# Altium PCB FPGA1.PcbDoc (part 5 of 5)
Units mm, origin at the board's own origin, x right, y up, seen from the top; angles counter-clockwise.
Board outline 170.31 x 110.11 mm, 2 copper layers (Top Layer, Bottom Layer); 219 components, 292 nets, 1138 pads, 447 vias.
Unrouted connection lines stored in the file: 389.
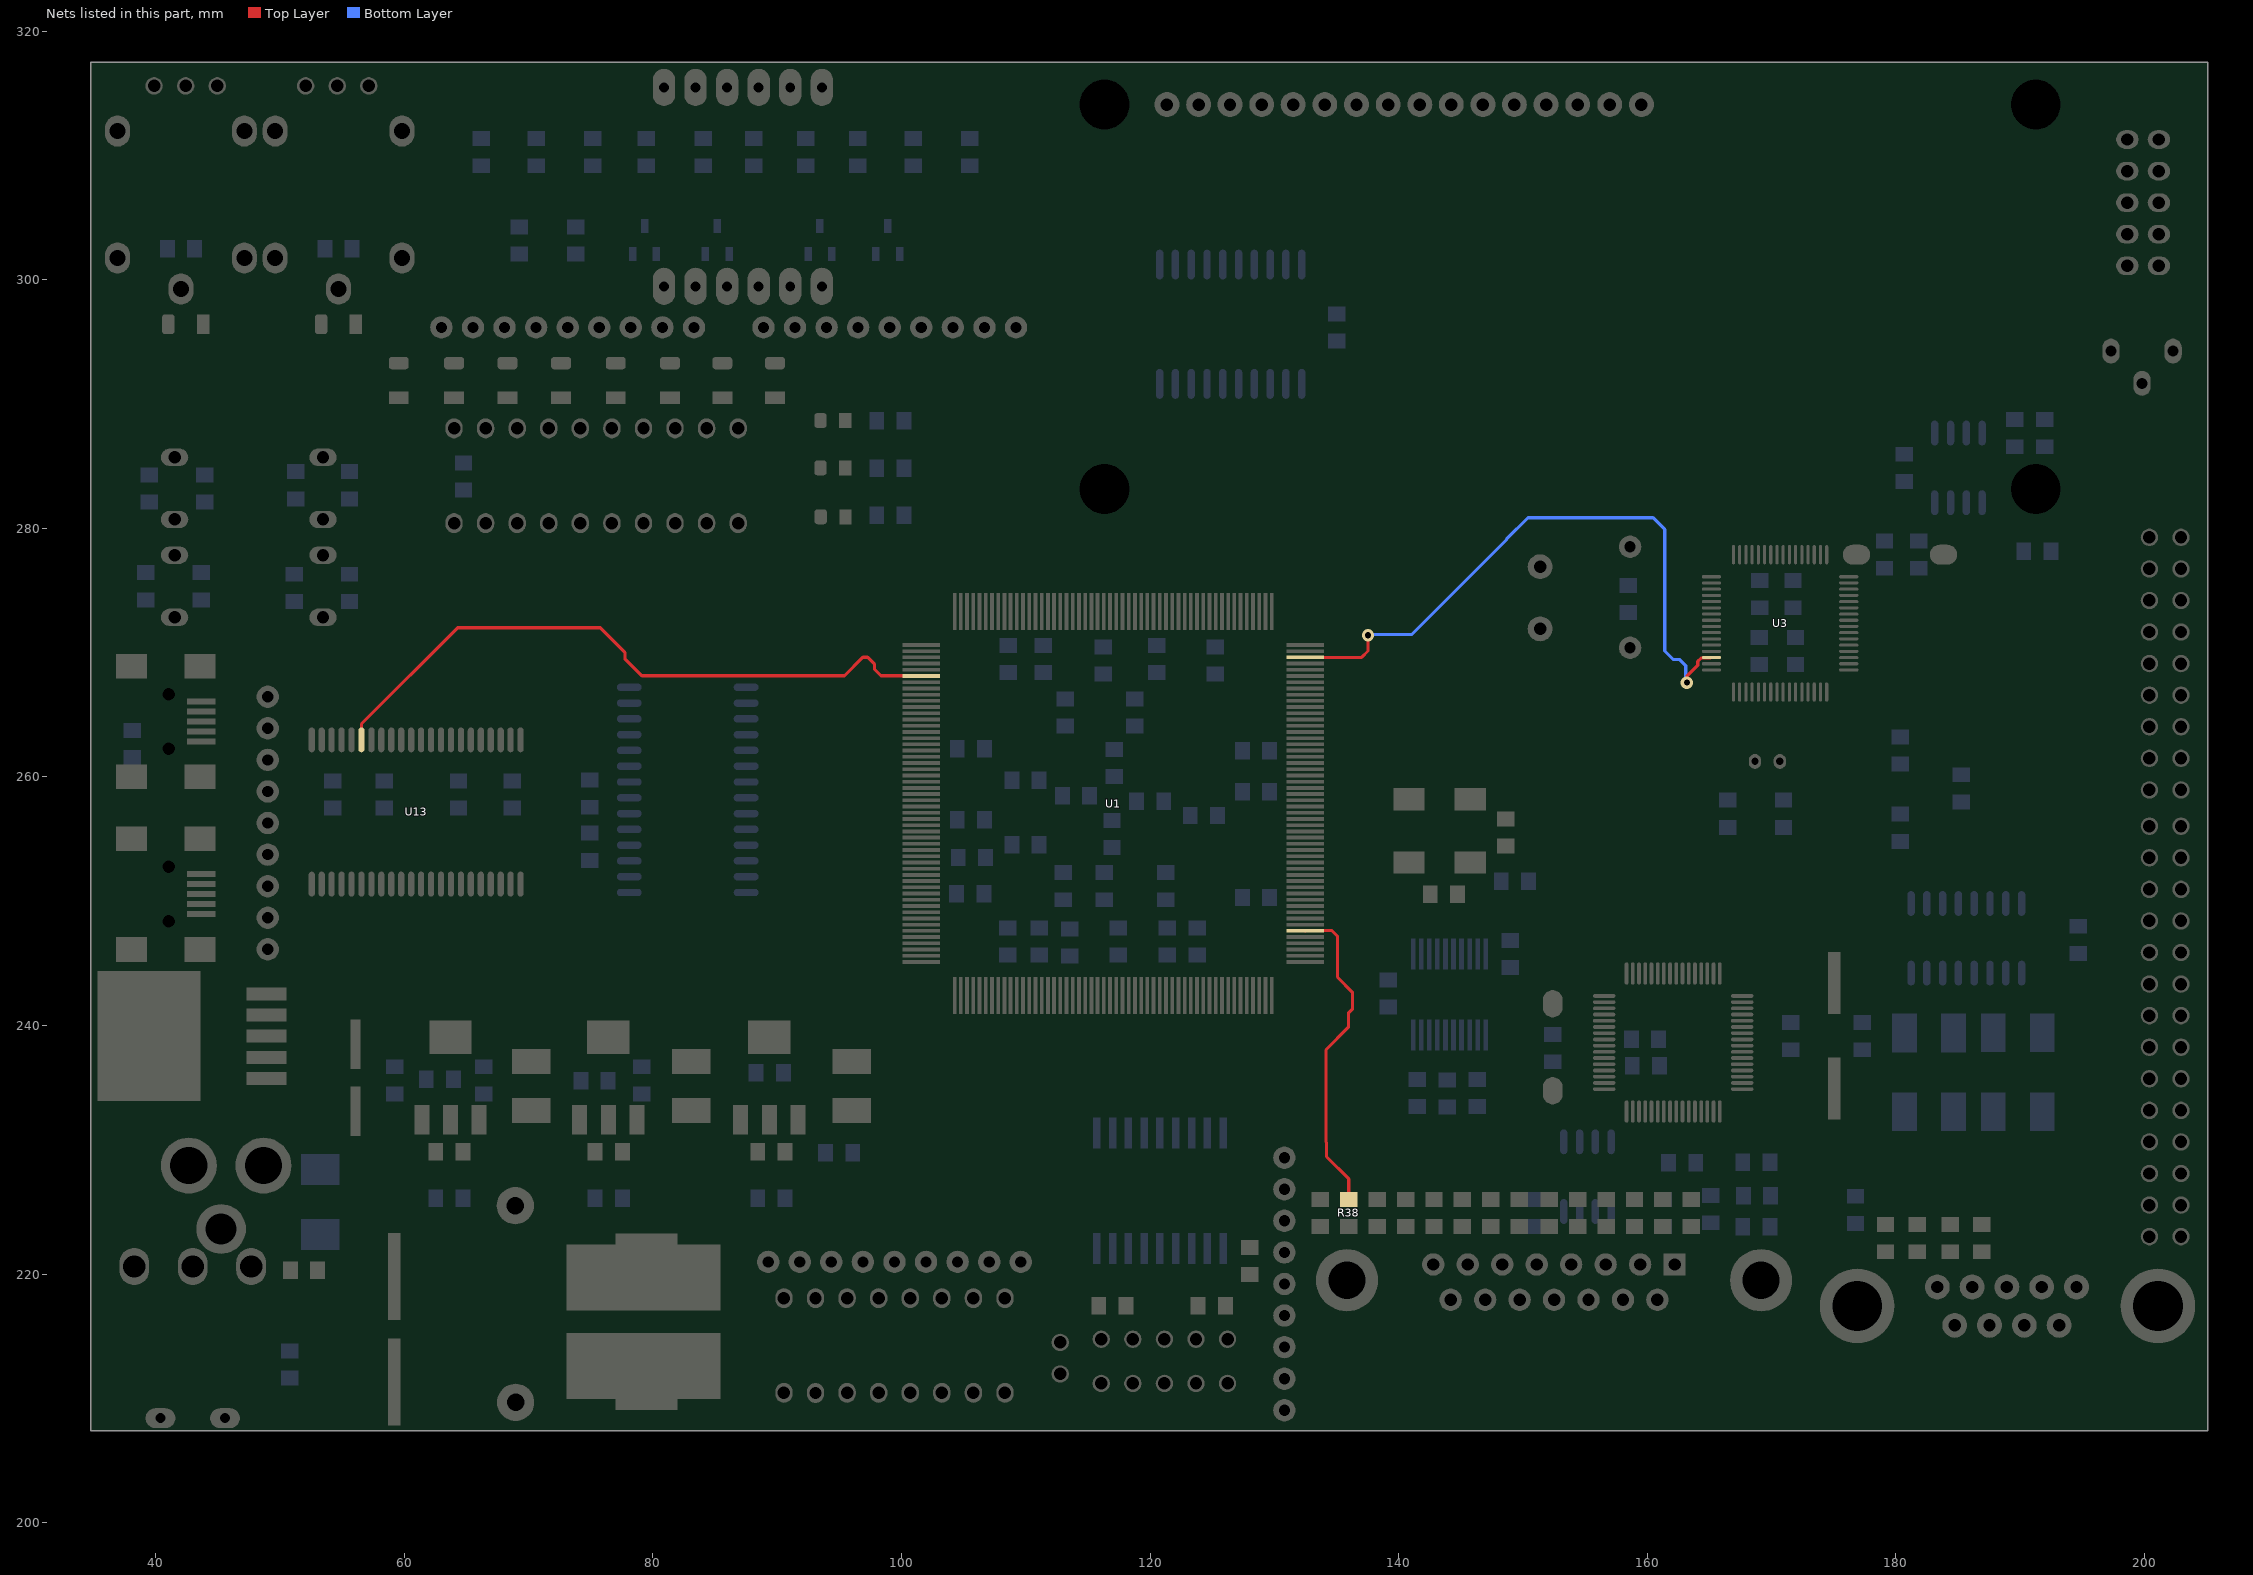
[diagram p5: the nets of this part, all layers, seen from the top]

## Via types
v1: diameter 1, hole 0.5, Top Layer to Bottom Layer, 447 vias

## Nets (pads, with @x,y where several pads share a name; then routed paths per layer and width w, separated by ;. In a path a pad name is that pad's centre, name@x,y a point inside that pad or via, vN(x,y) a via of type N, cw(c..) or ccw(c..) an arc to the next point about the centre after c; other vN are vias at no path point) (continued)
UTOF: U1.102 U3.62 | length 51.3
  Top Layer w0.254: U1.102@132.485,269.614 137.026,269.614 137.541,270.129 v1(137.541,271.399) ; v1(163.195,267.589) 163.195,268.097 164.065,268.967 164.065,269.288 164.332,269.555 U3.62@165.081,269.555
  Bottom Layer w0.254: v1(137.541,271.399) 137.606,271.464 141.076,271.464 148.669,279.057 148.669,279.105 150.415,280.851 160.474,280.851 161.417,279.908 161.417,270.129 162.114,269.432 162.622,269.432 163.106,268.948 163.106,267.678 v1(163.195,267.589)
VSYNC: R38.2 U1.58 | length 26.1
  Top Layer w0.254: U1.58@132.485,247.614 132.508,247.637 134.62,247.637 135.082,247.175 135.082,243.886 136.282,242.686 136.282,241.311 135.963,240.992 135.963,239.842 134.16,238.039 134.16,230.625 134.196,230.589 134.196,229.449 135.992,227.653 R38.2@135.992,226.009
WE: U1.162 U13.17 | length 52.9
  Top Layer w0.254: U13.17@56.56,262.975 56.56,264.267 64.292,271.999 75.769,271.999 77.749,270.019 77.749,269.507 79.119,268.137 95.417,268.137 96.901,269.621 97.282,269.621 97.848,269.055 97.848,268.643 98.355,268.137 101.572,268.137 U1.162@101.595,268.114
pads on no net: "S2. " J1.4 J1.9 J1.12 J1.14 J1.MH1 J1.MH2 J2.1 J2.4 J2.5 J2.6 J2.7 J2.8 J2.9 J2.10 J2.11 LCD1.0 LCD1.7 LCD1.8 LCD1.9 LCD1.10 P12.6 P12.7 P12.8 S2.3 U1.161 U4.6 U10.2 U10.3 U10.6 U10.8 U10.9 U10.10 U10.11 U10.12 U10.13 U10.14 U10.19 U10.24 U10.27 U10.28 U11.2 U11.9 U11.12 U11.13 U11.14 U11.15 U11.16 U13.28 U14.21 U14.22 U14.23 U14.24 U14.26 U14.27 U14.28 U14.29 U14.30 U14.32 U14.33 U14.34 U14.36 U14.40 U14.41 U14.43 U14.44 U14.45 U14.46 U14.48 U14.52 U14.53 U14.54 U14.55 U14.57 U14.58 U14.59 U14.60 U16.6 U16.7 U17.7 U17.8 U17.9 U17.10 USB1.4 USB1.6 USB1.7 USB1.8 USB1.9 USB1.MH1 USB1.MH2 USB2.4 USB2.6 USB2.7 USB2.8 USB2.9 USB2.MH1 USB2.MH2

## Polygon pours and split planes (outlines as drawn)
GND on Bottom Layer "Bottom Layer-GND" (solid, pour order 4): 34.798,317.5 34.798,207.391 205.105,207.391 205.105,317.5
no net on Bottom Layer "Bottom Layer-No Net" (solid, pour order 0): 158.115,242.443
GND on Top Layer "Top Layer-GND" (solid, pour order 2): 34.798,317.5 34.798,207.391 205.105,207.391 205.105,317.5

## Other copper
Top Layer:
  rectangle net GND: 160.147,235.585 163.449,241.046
  rectangle net GND: 114.554,255.905 119.634,260.604
  rectangle net GND: 168.021,270.129 173.355,274.574
  pour cut-out: 82.414,263.135 82.532,263.135 82.542,263.126 83.009,263.593 83.009,263.662 82.961,263.711 78.404,263.711 78.404,263.642 78.356,263.593 79.912,262.037 81.353,262.037 81.395,262.079 81.395,262.164 81.445,262.164 82.415,263.134 82.423,263.126 82.542,263.126 83.009,263.593 82.961,263.642 82.961,263.711
  pour cut-out: 97.861,267.462
  pour cut-out: 99.695,267.804 99.67,267.829 98.227,267.829 97.515,268.541 97.515,268.916 97.144,269.288 97.039,269.288 95.674,267.922 95.723,267.873 95.723,267.795 96.427,267.795 96.436,267.804 96.777,267.462 97.861,267.462
  pour cut-out: 79.26,267.35 79.26,267.281 79.211,267.232 79.342,267.101 96.209,267.101 96.342,266.968 96.416,267.043 96.416,267.089 96.377,267.129 94.985,267.129 94.764,267.35
  pour cut-out: 96.416,267.063 96.416,267.029 96.366,266.979 96.243,267.101 79.342,267.101
  pour cut-out: 96.377,267.129 96.351,267.154 94.96,267.154 94.764,267.35 79.26,267.35 79.26,267.281 79.211,267.232 79.449,266.994 96.381,266.994 96.416,267.03 96.416,267.095
  pour cut-out: 86.571,260.804 86.571,260.735 86.522,260.686 86.752,260.456 99.895,260.456 99.895,260.804
  pour cut-out: 86.372,263.511 86.316,263.454 86.316,262.633 86.301,262.618 86.364,262.556 86.364,262.491 86.609,262.491 86.713,262.387 96.923,262.387 96.923,262.452 97.072,262.601 97.072,263.469 97.03,263.511
  pour cut-out: 79.678,260.345 79.678,260.414 79.726,260.463 83.74,260.463 83.74,260.386 83.791,260.336 83.711,260.256 83.711,259.674 83.796,259.589 83.744,259.536 83.744,259.47 80.552,259.47
  pour cut-out: 81.534,260.096
Bottom Layer:
  rectangle net GND: 160.147,235.585 163.449,241.046
  rectangle net 1.8V: 157.861,235.585 159.512,241.046
  rectangle net 2.5V: 108.077,249.301 109.855,266.954
  rectangle net 2.5V: 108.331,265.176 122.936,266.954
  rectangle net GND: 114.554,255.905 119.634,260.604
  rectangle net 1.2V: 120.269,253.619 121.92,259.969
  rectangle net 1.2V: 112.395,253.365 121.793,255.016
  rectangle net 1.2V: 112.141,253.619 113.792,262.763
  rectangle net 1.2V: 112.395,261.366 120.523,263.017
  rectangle net GND: 122.174,251.46 123.825,261.112
  rectangle net GND: 110.49,251.46 123.698,253.111
  rectangle net GND: 110.236,251.714 111.887,264.541
  rectangle net GND: 110.49,263.271 121.412,264.922
  rectangle net 2.5V: 124.587,249.301 126.238,263.271
  rectangle net 2.5V: 108.331,249.301 125.984,250.825
  rectangle net GND: 126.492,247.015 128.143,265.176
  rectangle net GND: 105.918,247.015 127.762,248.793
  rectangle net GND: 105.918,247.269 107.696,269.113
  rectangle net GND: 106.553,267.462 127.381,269.113
  rectangle net 3.3V: 128.778,244.983 130.556,267.462
  rectangle net 3.3V: 103.886,244.729 130.302,246.38
  rectangle net 3.3V: 103.505,244.983 105.156,271.145
  rectangle net 3.3V: 103.886,269.748 129.413,271.399
  rectangle net GND: 168.021,270.383 173.355,274.447
  rectangle net 3.3V: 173.863,268.224 174.879,275.209
  rectangle net 3.3V: 166.497,268.224 174.879,269.875
  rectangle net 3.3V: 166.497,268.351 167.513,276.606
  rectangle net 3.3V: 166.497,274.955 173.736,276.606

## Silkscreen, mask and mechanical layers (free items; w line width, h text height)
Top Overlay:
  drawing of 5332 lines, arcs and shapes, not listed
  text "RELAY" at 44.958,293.243 h1.5
  text "ARRAY" at 97.028,292.862 h1.5
  text "ARM_BUT" at 42.291,287.02 h1.5
  text "NRST" at 179.07,274.574 h1
  text "BOOT" at 162.687,271.78 h1.5 r90
  text "FPGA_BUT" at 41.402,270.002 h1.5
  text "ARM_I/O" at 194.691,263.652 h2 r90
  text "PROB_G" at 149.86,235.331 h1.2 r90
  text "FPGA_I/O" at 194.691,232.664 h2 r90
  text "3.3V" at 83.693,229.362 h1.2
  text "1.2V" at 58.039,229.235 h1.2
  text "2.5V" at 70.358,228.854 h1.2
  text "ARRAY_10k" at 94.742,223.012 h1.2
  text "VGA" at 166.624,223.012 h2
  text "ON_5V" at 49.149,222.123 h1.2
  text "STEP_MOTOR" at 121.666,216.408 h1.2 r90
  text "SWD_MICRO" at 116.586,208.28 h1.2
  text "DIP SWITCH" at 95.631,207.772 h1.2
Mechanical 15:
  pour cut-out: 83.693,247.269
  pour cut-out: 129.667,226.441 128.27,225.044 128.27,224.917 129.921,223.266 130.048,223.393 130.175,223.393 130.175,224.917 130.683,225.425 130.937,225.425 130.937,225.679 130.175,226.441
  pour cut-out: 129.667,228.727 129.794,228.727 130.175,228.346 129.286,227.457 129.286,226.568 128.27,225.552 112.141,225.552 112.268,225.679 112.268,227.33 112.522,227.33 112.776,227.584 112.903,227.457 113.538,227.457 114.3,226.695 114.427,226.822 127.762,226.822
  pour cut-out: 128.016,240.792 128.397,240.792 128.651,240.538 128.651,238.252 128.778,238.252 130.81,236.22 131.318,236.22 131.318,235.712 132.588,234.442 132.588,232.918 129.286,229.616 129.032,229.87 129.032,236.347 128.016,237.363
  pour cut-out: 132.588,237.363 132.588,238.887 133.985,240.284 133.985,244.475 132.588,245.872 130.429,245.872 129.54,246.761 129.032,246.761 129.032,246.507 129.54,245.999 128.524,244.983 128.524,244.221 129.794,244.221 130.048,243.967 130.048,239.395 132.08,237.363
  pour cut-out: 60.833,261.747 60.833,258.445 58.801,256.413 59.055,256.159 61.849,256.159 61.849,256.032 62.103,256.032 61.976,256.159 61.976,256.794 62.484,257.302 62.484,258.191 62.357,258.191 61.849,258.699 62.357,259.207 62.357,260.604 61.214,261.747
  pour cut-out: 49.784,255.27 51.054,255.27 51.562,254.762 52.324,254.762 52.578,255.016 52.578,255.143 52.451,255.143 50.292,257.302 49.784,257.302
  pour cut-out: 49.784,254.762 49.784,252.73 51.435,252.73 52.197,253.492 55.499,253.492 56.007,254 56.007,254.762
  pour cut-out: 58.547,255.143 59.182,254.508 59.436,254.508 60.325,253.619 60.325,252.349 55.753,252.349 55.753,252.603 58.293,255.143
  pour cut-out: 95.123,249.555 95.123,249.428 97.155,247.396 96.774,247.015 96.774,246.126 93.345,249.555
  pour cut-out: 56.261,250.19 56.388,250.317 57.023,250.317 57.023,250.063 63.881,243.205 63.881,242.951 63.246,242.951 56.261,249.936
  pour cut-out: 60.96,251.46 61.722,251.46 61.722,250.571 62.103,250.19 62.103,249.936 67.183,244.856 64.897,244.856 60.198,249.555 60.198,250.698
  pour cut-out: 61.722,264.414
  pour cut-out: 61.722,264.414

## Text inside footprints (layer, text, board x,y; h text height)
J1: Top Overlay "8" at 141.33,221.534 h1 r180; Top Overlay "15" at 141.838,218.486 h1 r180; Top Overlay "9" at 163.682,217.978 h1 r180; Top Overlay "1" at 164.19,221.534 h1 r180
P9: Top Overlay "17" at 195.707,258.445 h1; Top Overlay "18" at 197.485,258.445 h1; Top Overlay "15" at 195.58,260.985 h1; Top Overlay "16" at 197.612,260.985 h1; Top Overlay "13" at 195.58,263.525 h1; Top Overlay "14" at 197.485,263.525 h1; Top Overlay "11" at 195.961,266.065 h1; Top Overlay "12" at 197.485,266.065 h1; Top Overlay "9" at 196.342,268.605 h1; Top Overlay "10" at 197.485,268.605 h1; Top Overlay "7" at 196.596,271.145 h1; Top Overlay "8" at 198.247,271.145 h1; Top Overlay "5" at 196.596,273.685 h1; Top Overlay "6" at 198.247,273.685 h1; Top Overlay "3" at 196.469,276.225 h1; Top Overlay "4" at 198.12,276.352 h1; Top Overlay "1" at 196.596,278.765 h1; Top Overlay "2" at 197.993,278.765 h1; Top Overlay "2" at 197.993,278.765 h1; Top Overlay "1" at 196.596,278.765 h1
P11: Top Overlay "1" at 195.961,255.524 h1; Top Overlay "2" at 198.12,255.524 h1; Top Overlay "2" at 198.12,255.524 h1; Top Overlay "1" at 195.961,255.524 h1; Top Overlay "4" at 198.247,252.984 h1; Top Overlay "3" at 195.961,252.984 h1; Top Overlay "6" at 198.247,250.444 h1; Top Overlay "5" at 195.961,250.444 h1; Top Overlay "8" at 198.247,247.904 h1; Top Overlay "7" at 195.961,247.904 h1; Top Overlay "10" at 197.485,245.364 h1; Top Overlay "9" at 195.834,245.364 h1; Top Overlay "12" at 197.485,242.951 h1; Top Overlay "11" at 195.58,242.824 h1; Top Overlay "14" at 197.485,240.157 h1; Top Overlay "13" at 195.453,240.284 h1; Top Overlay "16" at 197.612,237.744 h1; Top Overlay "15" at 195.453,237.744 h1; Top Overlay "18" at 197.485,235.204 h1; Top Overlay "17" at 195.326,235.204 h1; Top Overlay "20" at 197.358,232.664 h1; Top Overlay "19" at 195.326,232.664 h1; Top Overlay "22" at 197.358,230.124 h1; Top Overlay "21" at 195.072,230.124 h1; Top Overlay "24" at 197.358,227.457 h1; Top Overlay "23" at 194.945,227.457 h1; Top Overlay "26" at 197.485,225.044 h1; Top Overlay "25" at 194.818,225.044 h1; Top Overlay "28" at 197.358,222.504 h1; Top Overlay "27" at 194.691,222.504 h1
P12: Top Overlay "2" at 202.006,313.596 h1.27 r90; Top Overlay "1" at 199.085,313.596 h1.27 r90; Top Overlay "10" at 201.879,297.213 h1.27 r90; Top Overlay "9" at 199.085,298.102 h1.27 r90
R6: Top Overlay "CW" at 198.151,293.529 h0.64 r270
S1: Top Overlay "ON" at 91.341,216.849 h0.8 r180; Top Overlay "1" at 90.45,211.739 h0.7; Top Overlay "2" at 92.714,211.739 h0.7; Top Overlay "3" at 95.274,211.739 h0.7; Top Overlay "4" at 97.835,211.739 h0.7; Top Overlay "5" at 100.395,211.739 h0.7; Top Overlay "6" at 102.956,211.739 h0.7; Top Overlay "7" at 105.516,211.739 h0.7; Top Overlay "8" at 108.077,211.739 h0.7
USB1: Mechanical 1 "PCB Edge" at 35.379,268.491 h0.25 r270
USB2: Mechanical 1 "PCB Edge" at 35.379,254.612 h0.25 r270